# Altium PCB PCB.PcbDoc (part 1 of 2) (continued)
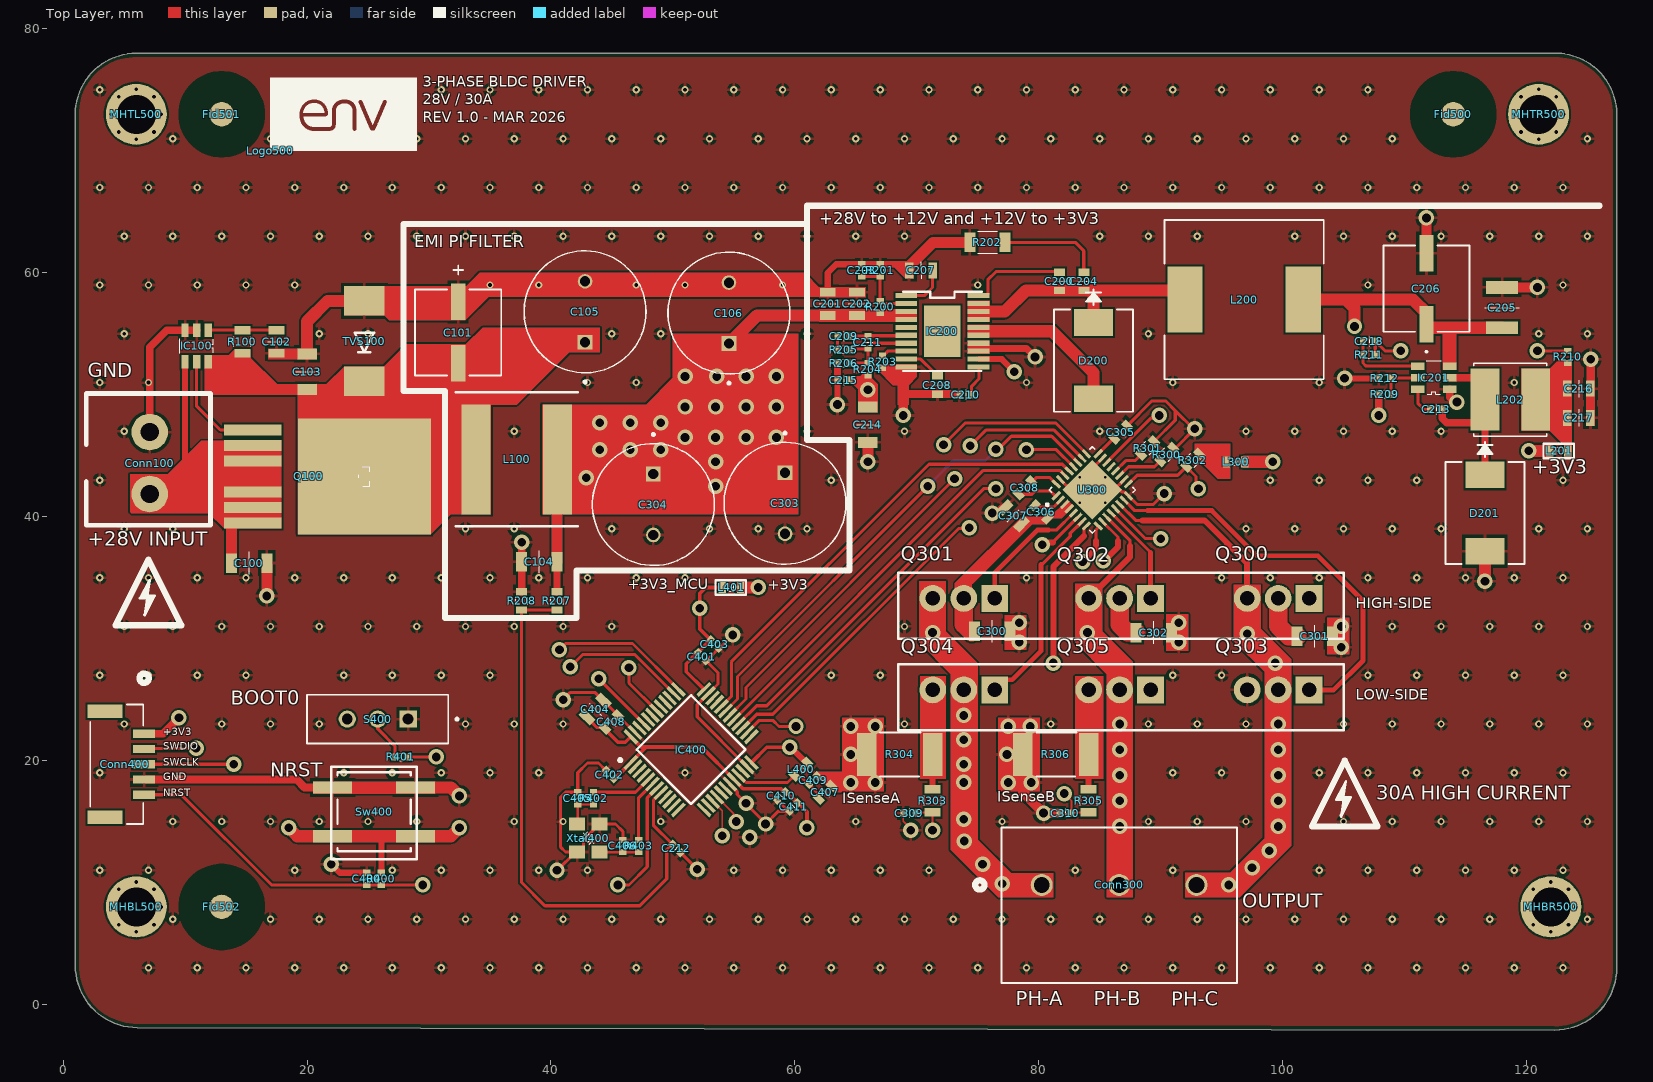
[diagram p0: Top Layer view]
## Components (designator, comment, footprint, x,y, rotation, side; value= is the part's Value field where it differs from the comment)
C100 "Capacitor_Seramic" Capacitor_Seramic_M3216_I1206 15.25,36.2 r0 top value=1uF
C101 "Capacitor_Aluminum" PCAP_EEHZ_D8_PAN 32.4,55.1 r270 top value=22uF
C102 "Capacitor_Seramic" Capacitor_Seramic_M2012_I0805 17.5,54.35 r270 top value=0.1uF
C103 "Capacitor_Seramic" Capacitor_Seramic_M3216_I1206 20,51.9 r90 top value=1uF
C104 "Capacitor_Seramic" Capacitor_Seramic_M3216_I1206 39.05,36.3 r180 top value=2.2uF
C105 "Capacitor_Aluminum_TH" Capacitor_Aluminum_TH 42.8,56.8 r90 top value=220uF
C106 "Capacitor_Aluminum_TH" Capacitor_Aluminum_TH 54.6,56.7 r90 top value=220uF
C200 "Capacitor_Seramic" Capacitor_Seramic_M1608_I0603 81.7,59.3 r270 top value=22nF
C201 "Capacitor_Seramic" Capacitor_Seramic_M2012_I0805 62.7,57.45 r90 top value=2.2uF
C202 "Capacitor_Seramic" Capacitor_Seramic_M2012_I0805 65.1,57.45 r90 top value=2.2uF
C203 "Capacitor_Seramic" Capacitor_Seramic_M1005_I0402 65.5,60.2 r90 top value=1nF
C204 "Capacitor_Seramic" Capacitor_Seramic_M1608_I0603 83.7,59.3 r90 top value=330pF
C205 "Capacitor_Seramic" Capacitor_Seramic_M3225_I1210 118,57.15 r90 top value=22uF
C206 "Capacitor_Aluminum" CAP_ZK_D8_PAN 111.8,58.7 r90 top value=150uF
C207 "Capacitor_Seramic" Capacitor_Seramic_M2012_I0805 70.35,60.2 r180 top value=4.7uF
C208 "Capacitor_Seramic" Capacitor_Seramic_M1608_I0603 71.7,50.8 r270 top value=330pF
C209 "Capacitor_Seramic" Capacitor_Seramic_M1005_I0402 64,54.8 r180 top value=10nF
C210 "Capacitor_Seramic" Capacitor_Seramic_M1005_I0402 74,50 r180 top value=10nF
C211 "Capacitor_Seramic" Capacitor_Seramic_M1005_I0402 66,54.3 r90 top value=470pF
C212 "Capacitor_Seramic" Capacitor_Seramic_M1005_I0402 50.3,12.8 r315 top value=10nF
C213 "Capacitor_Seramic" Capacitor_Seramic_M1005_I0402 112.6,48.8 r0 top value=0.1uF
C214 "Capacitor_Seramic" Capacitor_Seramic_M3216_I1206 66,47.55 r270 top value=10uF
C215 "Capacitor_Seramic" Capacitor_Seramic_M1005_I0402 64,51.2 r180 top value=0.1uF
C216 "Capacitor_Seramic" Capacitor_Seramic_M2012_I0805 124.3,50.5 r0 top value="22 µF"
C217 "Capacitor_Seramic" Capacitor_Seramic_M2012_I0805 124.3,48.1 r0 top value="22 µF"
C218 "Capacitor_Seramic" Capacitor_Seramic_M1005_I0402 107.1,54.4 r180 top value=75pF
C300 "Capacitor_Seramic" Capacitor_Seramic_M3216_I1206 76.2,30.6 r0 top value=1uF
C301 "Capacitor_Seramic" Capacitor_Seramic_M3216_I1206 102.65,30.2 r0 top value=1uF
C302 "Capacitor_Seramic" Capacitor_Seramic_M3216_I1206 89.45,30.5 r0 top value=1uF
C303 "Capacitor_Aluminum_TH" Capacitor_Aluminum_TH 59.2,41.1 r270 top value=330uF
C304 "Capacitor_Aluminum_TH" Capacitor_Aluminum_TH 48.4,41 r270 top value=330uF
C305 "Capacitor_Seramic" Capacitor_Seramic_M1608_I0603 86.73,46.93 r225 top value=1uF
C306 "Capacitor_Seramic" Capacitor_Seramic_M1608_I0603 80.2,40.4 r135 top value=1uF
C307 "Capacitor_Seramic" Capacitor_Seramic_M2012_I0805 77.928,40.072 r135 top value=0.1uF
C308 "Capacitor_Seramic" Capacitor_Seramic_M1608_I0603 78.87,42.37 r45 top value=47nF
C309 "Capacitor_Seramic" Capacitor_Seramic_M1005_I0402 69.4,15.7 r0 top value=2.2nF
C310 "Capacitor_Seramic" Capacitor_Seramic_M1005_I0402 82.2,15.7 r180 top value=2.2nF
C400 "Capacitor_Seramic" Capacitor_Seramic_M1005_I0402 24.9,10.3 r270 top value=0.1uF
C401 "Capacitor_Seramic" Capacitor_Seramic_M1005_I0402 52.383,28.517 r315 top value=0.1uF
C402 "Capacitor_Seramic" Capacitor_Seramic_M1005_I0402 44.846,18.854 r135 top value=0.1uF
C403 "Capacitor_Seramic" Capacitor_Seramic_M1005_I0402 53.446,29.554 r315 top value=0.1uF
C404 "Capacitor_Seramic" Capacitor_Seramic_M2012_I0805 43.628,24.228 r45 top value=4.7uF
C405 "Capacitor_Seramic" Capacitor_Seramic_M1005_I0402 42.2,16.9 r90 top value=16pF
C406 "Capacitor_Seramic" Capacitor_Seramic_M1005_I0402 45.9,13 r90 top value=16pF
C407 "Capacitor_Seramic" Capacitor_Seramic_M1608_I0603 62.5,17.4 r45 top value=1uF
C408 "Capacitor_Seramic" Capacitor_Seramic_M1608_I0603 44.97,23.17 r45 top value=1uF
C409 "Capacitor_Seramic" Capacitor_Seramic_M1005_I0402 61.5,18.4 r45 top value=10nF
C410 "Capacitor_Seramic" Capacitor_Seramic_M1005_I0402 58.9,17.1 r225 top value=0.1uF
C411 "Capacitor_Seramic" Capacitor_Seramic_M1005_I0402 59.9,16.2 r225 top value=0.1uF
Conn100 "KF128-2P" "Connector - KF128-5.08-2P" 7.1,44.4 r90 top
Conn300 "Connector - 3P" "Phoenix- 3Pin, 1714968" 80.25,9.8 r0 top
Conn400 "SM05B-GHS-TB(LF)(SN)" "Connector - JST, SM05B-GHS-TB" 4.4,19.7 r270 top
D200 "Diode_Schottky" SMC_DIO 84.5,52.8 r270 top
D201 "Diode_Schottky" SMC_DIO 116.6,40.3 r270 top
Fid500 "Fiducial" "Fiducial - 2mm, 5mm (SON)" 114,73 r0 top
Fid501 "Fiducial" "Fiducial - 2mm, 5mm (SON)" 13,73 r0 top
Fid502 "Fiducial" "Fiducial - 2mm, 5mm (SON)" 13,8 r0 top
IC100 "Diodes, LM5050MK-1" SOT-23-6Pin 10.95,54 r270 top
IC200 "TI, LM5005, 20-HTSSOP" "TI, LM5005, 20-HTSSOP" 72.1,55.2 r0 top
IC201 "TI, TPS54302" SOT-23-6Pin 112.4,51.4 r180 top
IC400 "STM32G431CBT3" "QFP-48, 9mm x 9mm x 1.6mm" 51.5,20.9 r45 top
L100 "Inductor" "Coilcraft - XAL1010-472MED" 37.2,44.7 r180 top value=4.7uH
L200 "Inductor" "Bourns - SRR1280" 96.851,57.8 r0 top value=33uF
L201 "Ferrite Bead" Ferrite_Bead_Smd_M1608_I0603 122.65,45.4 r0 top value=120Ω
L202 "Inductor" "Bourns - SRN6045TA" 118.675,49.6 r0 top value=10uF
L300 "Ferrite Bead" Ferrite_Bead_Smd_M1608_I0603 96.15,44.5 r180 top value=120Ω
L400 "Ferrite Bead" Ferrite_Bead_Smd_M1608_I0603 60.5,19.3 r225 top value=120Ω
L401 "Ferrite Bead" Ferrite_Bead_Smd_M1608_I0603 54.8,34.2 r180 top value=120Ω
Logo500 "Logo" "Logo 1" 17,70 r0 top
MHBL500 "Hole" "Mounting Hole - Hole-3.2mm, Pad-5mm" 6,8 r90 top
MHBR500 "Hole" "Mounting Hole - Hole-3.2mm, Pad-5mm" 122,8 r90 top
MHTL500 "Hole" "Mounting Hole - Hole-3.2mm, Pad-5mm" 6,73 r90 top
MHTR500 "Hole" "Mounting Hole - Hole-3.2mm, Pad-5mm" 121,73 r90 top
Q100 "Mosfet, N-Channel - IPB017N10N5" "TO263-7, Mosfet - Type 1" 24.7,43.3 r270 top
Q300 "Mosfet, N-Channel - TI - CSD18532KCS" "TO-220-3, Mosfet, N-Channel" 99.64,33.3 r180 top
Q301 "Mosfet, N-Channel - TI - CSD18532KCS" "TO-220-3, Mosfet, N-Channel" 73.86,33.3 r180 top
Q302 "Mosfet, N-Channel - TI - CSD18532KCS" "TO-220-3, Mosfet, N-Channel" 86.64,33.3 r180 top
Q303 "Mosfet, N-Channel - TI - CSD18532KCS" "TO-220-3, Mosfet, N-Channel" 99.64,25.8 r180 top
Q304 "Mosfet, N-Channel - TI - CSD18532KCS" "TO-220-3, Mosfet, N-Channel" 73.86,25.8 r180 top
Q305 "Mosfet, N-Channel - TI - CSD18532KCS" "TO-220-3, Mosfet, N-Channel" 86.64,25.8 r180 top
R100 "Resistor" Resistor_SMD_M2012_I0805 14.7,54.35 r90 top value=100R
R200 "Resistor" Resistor_SMD_M1005_I0402 67,57.2 r90 top value=100K
R201 "Resistor" Resistor_SMD_M1005_I0402 67,60.2 r270 top value=7.32K
R202 "Resistor" Resistor_SMD_M3216_I1206 75.8,62.5 r180 top value=10R
R203 "Resistor" Resistor_SMD_M1005_I0402 67.2,52.7 r270 top value=20.5K
R204 "Resistor" Resistor_SMD_M1005_I0402 66,52.1 r270 top value=14.5K
R205 "Resistor" Resistor_SMD_M1005_I0402 64,53.7 r180 top value=49.9K
R206 "Resistor" Resistor_SMD_M1005_I0402 64,52.6 r0 top value=1.65K
R207 "Resistor" Resistor_SMD_M1608_I0603 40.5,33.1 r90 top value=100K
R208 "Resistor" Resistor_SMD_M1608_I0603 37.6,33.1 r90 top value=6.8K
R209 "Resistor" Resistor_SMD_M1005_I0402 108.4,50.05 r0 top value=511K
R210 "Resistor" Resistor_SMD_M1005_I0402 123.4,53.1 r90 top value=49.9K
R211 "Resistor" Resistor_SMD_M1005_I0402 107.1,53.3 r180 top value=11K
R212 "Resistor" Resistor_SMD_M1005_I0402 108.4,51.35 r180 top value=105K
R300 "Resistor" Resistor_SMD_M1608_I0603 90.5,45.1 r225 top value=18K
R301 "Resistor" Resistor_SMD_M1608_I0603 88.93,45.63 r225 top value=18K
R302 "Resistor" Resistor_SMD_M1608_I0603 92.63,44.63 r45 top value=10K
R303 "Resistor" Resistor_SMD_M2012_I0805 71.3,16.7 r90 top value=100R
R304 "Resistor" Resistor_SMD_M6332_I2512 68.6,20.5 r180 top value=2mOhms
R305 "Resistor" Resistor_SMD_M2012_I0805 84.1,16.7 r90 top value=100R
R306 "Resistor" Resistor_SMD_M6332_I2512 81.4,20.5 r180 top value=2mOhms
R400 "Resistor" Resistor_SMD_M1005_I0402 26.1,10.3 r270 top value=10K
R401 "Resistor" Resistor_SMD_M1005_I0402 27.7,20.3 r0 top value=10K
R402 "Resistor" Resistor_SMD_M1005_I0402 43.5,16.9 r270 top value=0R
R403 "Resistor" Resistor_SMD_M1005_I0402 47.2,13 r270 top value=0R
S400 "MINI-SPDT-SW" MINI-SPDT-SW 25.8,23.4 r180 top
Sw400 "Tactile, SPST" "Tactile, SPST - Panasonic, EVQQ2" 25.5,15.8 r180 top
TVS100 "Diode_Tvs" Diode_SMC_DO-214AB 24.7,54.4 r270 top
U300 "TI - DRV8320HRTVR" "QFN-48 5mm x 5mm" 84.4,42.2 r45 top
Xtal400 "Crystal, Two Gnd Pins" "Kyocera, CX3225SB" 43.075,13.65 r90 top

## Footprints (in the part's own frame and the unit in brackets; to place one, negate y for a bottom-side part, rotate by r counter-clockwise, add the part's x,y. Pads: shape width x height; smd on the part's side, far side on the other; paste and mask are expansions set on the pad)
"Bourns - SRN6045TA" [mm] "Bourns - SRN6045TA"
  rect 2.35x5.1 smd: 1(-2.075,0) 2(2.075,0)
  silkscreen extent -3,-3 3,3, body extent -3,-3 3,3, height 4.5
"Bourns - SRR1280" [mil] "Bourns - SRR1280"
  rect 114x213 smd paste+0 mask+0: 1(-191,0) 2(191,0)
  silkscreen extent -257,-257 257,257, body extent -252,-252 252,252, height 315
CAP_ZK_D8_PAN [mil]
  rect 118x46 smd paste+0 mask+0: 1(-114.5,0) 2(114.5,0)
  silkscreen extent -206,-139 139,139, body extent -154,-134 154,134, height 317
Capacitor_Aluminum_TH [mm] "Capacitor_Aluminum_TH"
  round 1.2 hole 0.85: N(2.5,0)
  rect 1.2x1.2 hole 0.85: P(-2.5,0)
  silkscreen extent -5.85,-5 5,5, body extent -5,-5 4.98,5, height 25
Capacitor_Seramic_M1005_I0402 [mm] "Capacitor, Seramic, M1005, I0402"
  rect 0.5x0.6 smd mask+0.05: 1(-0.5,0) 2(0.5,0)
  silkscreen extent 0,-0.4 0,0.4, body extent -0.6,-0.26 0.6,0.26, height 0.51
Capacitor_Seramic_M1608_I0603 [mm] "Capacitor, Seramic, M1608, I0603"
  rect 0.6x0.9 smd mask+0.05: 1(-0.75,0) 2(0.75,0)
  silkscreen extent 0,-0.5 0,0.51, body extent -0.93,-0.41 0.93,0.41, height 0.81
Capacitor_Seramic_M2012_I0805 [mm] "Capacitor, Seramic, M2012, I0805"
  rect 0.7x1.3 smd mask+0.05: 1(-0.95,0) 2(0.95,0)
  silkscreen extent -0.01,-0.7 0,0.7, body extent -1.09,-0.64 1.09,0.64, height 1.26
Capacitor_Seramic_M3216_I1206 [mm] "Capacitor, Seramic, M3216, I1206"
  rect 0.9x1.6 smd mask+0.05: 1(-1.45,0) 2(1.45,0)
  silkscreen extent 0,-0.9 0,0.91, body extent -1.75,-0.81 1.75,0.81, height 1.63
Capacitor_Seramic_M3225_I1210 [mm] "Capacitor, Seramic, M3225, I1210"
  rect 1.05x2.65 smd mask+0.05: 1(-1.65,0) 2(1.65,0)
  silkscreen extent 0,-1.4 0,1.4, body extent -1.6,-1.25 1.6,1.25, height 1.3
"Coilcraft - XAL1010-472MED" [mm] "Coilcraft - XAL1010-472MED"
  rect 2.38x9 smd mask+0.05: 1(-3.325,0) 2(3.325,0)
  silkscreen extent -5,-5.5 5,5.5, body extent -5,-5.65 5,5.65, height 10
"Connector - JST, SM05B-GHS-TB" [mil]
  rect 26x71 smd paste+0 mask+0: 1(-98.43,88.37) 2(-49.21,88.37) 3(0,88.37) 4(49.21,88.37) 5(98.43,88.37)
  rect 43x113.39 smd paste+0 mask+0: 6(-171.26,-37.61) 7(171.26,-37.61)
  silkscreen extent -293,-86 193,103, body extent -187,-81 187,110, height 167
"Connector - KF128-5.08-2P" [mm] "Connector - KF128-5.08-2P"
  round 3 hole 1.5 mask+0.05: 1(-2.54,0) 2(2.54,0)
  silkscreen extent -5.1,-5 5.7,5.2, body extent -5.08,-5.1 5.68,5.2, height 14.29
Diode_SMC_DO-214AB [mm] "Diode, SMD, DO-214AB"
  rect 2.4x3.3 smd mask+0.05: A(-3.3,0) K(3.3,0)
  silkscreen extent -0.7,-0.8 0.9,0.8, body extent -4.06,-3.11 4.06,3.11, height 2.67
Ferrite_Bead_Smd_M1608_I0603 [mm] "Ferrite_Bead_Smd_M1608_I0603"
  rect 0.6x0.9 smd mask+0.05: 1(-0.75,0) 2(0.75,0)
  silkscreen extent -0.2,-0.3 0.2,0.3, body extent -0.8,-0.4 0.8,0.4, height 0.8
"Fiducial - 2mm, 5mm (SON)" [mm] "Fiducial - 2mm, 5mm (SON)"
  round 2 smd paste-3 mask+1.5: TP(0,0)
  Top Layer pour cut-out: 2.5,2.5 0.915,3.415 -0.915,3.415 -2.5,2.5 -2.5,2.5 -3.266,1.353 -3.536,0 -3.266,-1.353 -2.5,-2.5 -2.5,-2.5 -1.353,-3.266 0,-3.536 1.353,-3.266 2.5,-2.5 2.5,-2.5 3.415,-0.915 3.415,0.915 2.5,2.5
"Kyocera, CX3225SB" [mm] "Kyocera, CX3225SB"
  rect 1.05x1.3 smd mask+0.05: 1(-1.15,-0.925) 2(1.15,0.925) GND1(-1.15,0.925) GND2(1.15,-0.925)
  silkscreen extent -0.49,-0.49 0.49,0.49, body extent -1.6,-1.25 1.6,1.25, height 0.55
"Logo 1" [mm] "Logo"
  silkscreen extent 0,0 12,6
MINI-SPDT-SW [mm]
  rect 1.408x1.408 hole 0.9: 1(-2.5,0)
  round 1.408 hole 0.9: 2(0,0) 3(2.5,0)
  silkscreen extent -6.6,-2 5.8,2, body extent -5.8,-2 5.8,2, height 7.4
"Mounting Hole - Hole-3.2mm, Pad-5mm" [mm] "Mounting Hole, Hole-3.2mm, Pad-5mm"
  round 0.6 hole 0.3 mask+0.05: Hole(-2.05,0) Hole(-1.45,-1.45) Hole(-1.45,1.45) Hole(0,2.05) Hole(0,-2.05) Hole(1.45,-1.45) Hole(1.45,1.45) Hole(2.05,0)
  round 5 hole 3.2 mask+0.05: Hole(0,0)
PCAP_EEHZ_D8_PAN [mil]
  rect 118x46 smd paste+0 mask+0: 1(-99,0) 2(99,0)
  silkscreen extent -217,-139 139,139, body extent -138,-134 138,134, height 317
"Phoenix- 3Pin, 1714968" [mil]
  round 71 hole 51 paste-99999 mask+0: 1(0,0) 2(250,0) 3(500,0)
  silkscreen extent -215,-316 630,186, body extent -151,-310 621,183, height 846
"QFN-48 5mm x 5mm" [mm] "QFN, 48Pin, 5mm x 5mm x 0,8mm"
  rrect25% 0.88x0.26 smd: 1(-2.435,1.75) 2(-2.435,1.25) 3(-2.435,0.75) 4(-2.435,0.25) 5(-2.435,-0.25) 6(-2.435,-0.75) 7(-2.435,-1.25) 8(-2.435,-1.75) 17(2.435,-1.75) 18(2.435,-1.25) 19(2.435,-0.75) 20(2.435,-0.25) 21(2.435,0.25) 22(2.435,0.75) 23(2.435,1.25) 24(2.435,1.75)
  rrect25% 0.26x0.88 smd: 9(-1.75,-2.435) 10(-1.25,-2.435) 11(-0.75,-2.435) 12(-0.25,-2.435) 13(0.25,-2.435) 14(0.75,-2.435) 15(1.25,-2.435) 16(1.75,-2.435) 25(1.75,2.435) 26(1.25,2.435) 27(0.75,2.435) 28(0.25,2.435) 29(-0.25,2.435) 30(-0.75,2.435) 31(-1.25,2.435) 32(-1.75,2.435)
  rect 3.45x3.45 smd paste-3: 33(0,0)
  round 0.4 hole 0.2 mask+0: 34(0,1.475) 35(-1.475,0) 36(0,0) 37(1.475,0) 38(0,-1.475)
  silkscreen extent -3.57,-2.5 2.5,2.5, body extent -2.5,-2.5 2.5,2.5, height 0.8
"QFP-48, 9mm x 9mm x 1.6mm" [mm] "QFP-48, 9mm x 9mm x 1.6mm"
  rect 1.475x0.3 smd: 1(-4.238,2.75) 2(-4.238,2.25) 3(-4.238,1.75) 4(-4.238,1.25) 5(-4.238,0.75) 6(-4.238,0.25) 7(-4.238,-0.25) 8(-4.238,-0.75) 9(-4.238,-1.25) 10(-4.238,-1.75) 11(-4.238,-2.25) 12(-4.238,-2.75) 25(4.238,-2.75) 26(4.238,-2.25) 27(4.238,-1.75) 28(4.238,-1.25) 29(4.238,-0.75) 30(4.238,-0.25) 31(4.238,0.25) 32(4.238,0.75) 33(4.238,1.25) 34(4.238,1.75) 35(4.238,2.25) 36(4.238,2.75)
  rect 0.3x1.475 smd: 13(-2.75,-4.238) 14(-2.25,-4.238) 15(-1.75,-4.238) 16(-1.25,-4.238) 17(-0.75,-4.238) 18(-0.25,-4.238) 19(0.25,-4.238) 20(0.75,-4.238) 21(1.25,-4.238) 22(1.75,-4.238) 23(2.25,-4.238) 24(2.75,-4.238) 37(2.75,4.238) 38(2.25,4.238) 39(1.75,4.238) 40(1.25,4.238) 41(0.75,4.238) 42(0.25,4.238) 43(-0.25,4.238) 44(-0.75,4.238) 45(-1.25,4.238) 46(-1.75,4.238) 47(-2.25,4.238) 48(-2.75,4.238)
  silkscreen extent -4.85,-3.15 3.15,3.62, body extent -4.5,-4.5 4.5,4.5, height 1.6
Resistor_SMD_M1005_I0402 [mm] "Resistor, SMD, M1005, I0402"
  rect 0.5x0.6 smd mask+0.05: 1(-0.5,0) 2(0.5,0)
  silkscreen extent -0.1,-0.3 0.1,0.3, body extent -0.51,-0.25 0.49,0.25, height 0.18
Resistor_SMD_M1608_I0603 [mm] "Resistor, SMD, M1608, I0603"
  rect 0.6x0.9 smd mask+0.05: 1(-0.75,0) 2(0.75,0)
  silkscreen extent -0.3,-0.5 0.3,0.5, body extent -0.8,-0.4 0.8,0.4, height 0.23
Resistor_SMD_M2012_I0805 [mm] "Resistor, SMD, M2012, I0805"
  rect 0.7x1.3 smd mask+0.05: 1(-0.95,0) 2(0.95,0)
  silkscreen extent -0.4,-0.7 0.4,0.7, body extent -1,-0.63 1,0.63, height 0.3
Resistor_SMD_M3216_I1206 [mm] "Resistor, SMD, M3216, I1206"
  rect 0.9x1.6 smd mask+0.05: 1(-1.45,0) 2(1.45,0)
  silkscreen extent -0.8,-0.9 0.8,0.9, body extent -1.6,-0.8 1.6,0.8, height 0.3
Resistor_SMD_M6332_I2512 [mm] "Resistor, SMD, M1332, I2512"
  rect 1.6x3.5 smd mask+0.05: 1(-2.7,0) 2(2.7,0)
  silkscreen extent -1.7,-1.8 1.6,1.8, body extent -3.2,-1.6 3.2,1.6, height 0.3
SMC_DIO [mm]
  rect 2.18x3.18 smd paste+0 mask+0: A(3.127,0) K(-3.127,0)
  silkscreen extent -5.84,-3.24 4.19,3.24, body extent -4.07,-3.11 4.07,3.11, height 2.45
SOT-23-6Pin [mm] "SOT-23, 6Pin"
  rect 1.1x0.6 smd mask+0.05: 1(-1.3,0.95) 2(-1.3,0) 3(-1.3,-0.95) 4(1.3,-0.95) 5(1.3,0) 6(1.3,0.95)
  silkscreen extent -0.6,-1.38 0.6,1.38, body extent -1.21,-1.39 1.22,1.4, height 1.09
"Tactile, SPST - Panasonic, EVQQ2" [mm] "Tactile, SPST - Panasonic, EVQQ2"
  rect 3.2x1 smd mask+0.05: A(-3.4,-2) A(3.4,-2) B(-3.4,2) B(3.4,2)
  silkscreen extent -3,-3.25 3,3.25, body extent -3.3,-3 3.3,3, height 3.1
"TI, LM5005, 20-HTSSOP" [mm] "Texas Instruments, LM5005, HTSSOP, 20 Pin"
  rect 1.78x0.42 smd mask+0.05: 1-VCC(-2.97,2.925) 2-SD(-2.97,2.275) 3-VIN(-2.97,1.625) 4-VIN(-2.97,0.975) 5-SYNC(-2.97,0.325) 6-COMP(-2.97,-0.325) 7-FB(-2.97,-0.975) 8-RT(-2.97,-1.625) 9-RAMP(-2.97,-2.275) 10-AGND(-2.97,-2.925) 11-SS(2.97,-2.925) 12-OUT(2.97,-2.275) 13-PGND(2.97,-1.625) 14-PGND(2.97,-0.975) 15-IS(2.97,-0.325) 16-IS(2.97,0.325) 17-SW(2.97,0.975) 18-SW(2.97,1.625) 19-PRE(2.97,2.275) 20-BST(2.97,2.925)
  rect 3x4.2 smd paste-0.35 mask+0.05: EP-GND(0,0)
  silkscreen extent -3.2,-3.25 3.25,3.25, body extent -3.2,-3.25 3.2,3.25, height 1.1
"TO263-7, Mosfet - Type 1" [mm] "TO263-7, Mosfet - Type 1"
  rect 9.5x10.9 smd mask+0.05: D(0,0)
  rect 0.9x4.7 smd mask+0.05: G(-3.81,-9.15) S(-2.54,-9.15) S(-1.27,-9.15) S(1.27,-9.15) S(2.54,-9.15) S(3.81,-9.15)
  silkscreen extent -0.8,-0.45 0.8,0.45, body extent -5,-9.37 5,5.58, height 4.51
"TO-220-3, Mosfet, N-Channel" [mm] "TO-220-3, Mosfet, N-Channel"
  round 2.2 hole 1.2 mask+0.05: D(0,0) S(2.54,0)
  rect 2.2x2.2 hole 1.2 mask+0.05: G(-2.54,0)
  body extent -5.08,-1.7 5.08,2.85, height 15.75

## Part data
C100 C103 C300 C301 C302: "Cap, Cer, 1uF, 100V, M3216", Manufacturer="TDK Corporation", Manufacturer Part Number=C3216X7R2A105K160AA, Operating Temperature, Max=+125℃, Operating Temperature, Min=-55℃, Package=M3216, Rated Voltage=100V, Supplier Part Number=445-4467-1-ND, Temperature Coefficient=X7R, Tolerance=±10%, Component Category=Capacitor, Component Type=Ceramic, ComponentLink1Description=Datasheet, ComponentLink2Description="Supplier Link", ComponentLink2URL=https://www.digikey.com/en/products/detail/tdk-corporation/C3216X7R2A105K160AA/2042138, Price, Max=$0.12024, Price, Min=$0.41000, Quantity, Max=1,000, Quantity, Min=1, Supplier=Digikey, Supplier Currency=$, Supplier Link=https://www.digikey.com/en/products/detail/tdk-corporation/C3216X7R2A105K160AA/2042138
C101: "Cap, Aluminum", Manufacturer=Panasonic, Manufacturer Part Number=EEH-ZA1J220XP, Operating Temperature, Max=+105°C, Operating Temperature, Min=-55°C, Rated Voltage="63 V", Supplier Part Number=P15447CT-ND, Tolerance=±20%, Component Category=Capacitors, Component Type=Aluminum, ComponentLink1Description="Supplier Link", ComponentLink1URL=https://www.digikey.com/en/products/detail/panasonic-electronic-components/EEH-ZA1J220XP/3088130, Price, Max=$0.85740, Price, Min=$2.04000, Quantity, Max=100, Quantity, Min=1, Supplier=Digikey, Supplier Currency=$, Supplier Link=https://www.digikey.com/en/products/detail/panasonic-electronic-components/EEH-ZA1J220XP/3088130
C102 C307: "Cap, Cer, 0.1uF, 100V, M2012", Manufacturer="TDK Corporation", Manufacturer Part Number=C2012X7R2A104K125AA, Operating Temperature, Max=+125℃, Operating Temperature, Min=-55℃, Package=M2012, Rated Voltage=100V, Supplier Part Number=445-1418-1-ND, Temperature Coefficient=X7R, Tolerance=±10%, Component Category=Capacitor, Component Type=Ceramic, ComponentLink1Description=Datasheet, ComponentLink2Description="Supplier Link", ComponentLink2URL=https://www.digikey.com/en/products/detail/tdk-corporation/C2012X7R2A104K125AA/569044, Price, Max=$0.03714, Price, Min=$0.16000, Quantity, Max=1,000, Quantity, Min=1, Supplier=Digikey, Supplier Currency=$, Supplier Link=https://www.digikey.com/en/products/detail/tdk-corporation/C2012X7R2A104K125AA/569044
C104 C201 C202: "Cap, Cer, 2.2uF, 100V, M3216", Manufacturer=YAGEO, Manufacturer Part Number=AC1206KKX7R0BB225, Operating Temperature, Max=+125℃, Operating Temperature, Min=-55℃, Package=M3216, Rated Voltage=100V, Supplier Part Number=13-AC1206KKX7R0BB225CT-ND, Temperature Coefficient=X7R, Tolerance=±10%, Component Category=Capacitor, Component Type=Ceramic, ComponentLink1Description=Datasheet, ComponentLink2Description="Supplier Link", ComponentLink2URL=https://www.digikey.com/en/products/detail/yageo/AC1206KKX7R0BB225/16797723, Price, Max=$0.39533, Price, Min=$1.08000, Quantity, Max=1,000, Quantity, Min=1, Supplier=Digikey, Supplier Currency=$, Supplier Link=https://www.digikey.com/en/products/detail/yageo/AC1206KKX7R0BB225/16797723
C105 C106: "220F 63V Aluminum Electrolytic Capacitors Radial, Can 10000 Hrs @ 105C", Manufacturer="Panasonic Electronic Components", Manufacturer Part Number=EEU-FR1J221L, Operating Temperature, Max=+105°C, Operating Temperature, Min=-40°C, Rated Voltage=63V, Supplier Part Number=P15409-ND, Tolerance=±20%, Component Category=Aluminum, Component Type=Capacitor, ComponentLink1Description="Supplier Link", ComponentLink1URL=https://www.digikey.com/en/products/detail/panasonic-electronic-components/EEU-FR1J221L/3072289, Price, Max=$0.54887, Price, Min=$1.45000, Quantity, Max=600, Quantity, Min=1, Supplier=Digikey, Supplier Currency=$, Supplier Link=https://www.digikey.com/en/products/detail/panasonic-electronic-components/EEU-FR1J221L/3072289
C200: "Cap, Cer, 22nF, 100V, M1608", Manufacturer=YAGEO, Manufacturer Part Number=CC0603KRX7R0BB223, Operating Temperature, Max=+125℃, Operating Temperature, Min=-55℃, Package=M1608, Rated Voltage=100V, Supplier Part Number=311-1792-1-ND, Temperature Coefficient=X7R, Tolerance=±10%, Component Category=Capacitor, Component Type=Ceramic, ComponentLink1Description=Datasheet, ComponentLink2Description="Supplier Link", ComponentLink2URL=https://www.digikey.com/en/products/detail/yageo/CC0603KRX7R0BB223/5195200, Price, Max=$0.02315, Price, Min=$0.11000, Quantity, Max=1,000, Quantity, Min=1, Supplier=Digikey, Supplier Currency=$, Supplier Link=https://www.digikey.com/en/products/detail/yageo/CC0603KRX7R0BB223/5195200
C203: "Cap, Cer, 1nF, 50V, M1005", Manufacturer=Yageo, Manufacturer Part Number=CC0402KRX7R9BB102, Operating Temperature, Max=+125℃, Operating Temperature, Min=-55℃, Package=M1005, Rated Voltage=50V, Supplier Part Number=311-1036-1-ND, Temperature Coefficient=X7R, Tolerance=±10%, Component Category=Capacitor, Component Type=Ceramic, ComponentLink1Description=Datasheet, ComponentLink1URL="C:\Users\User\OneDrive - Karadeniz Teknik University\Masaüstü\pcb\Altium-Designer-ile-Elektronik-Devre-Karti-Tasarimi_2024-main\Datasheets\Capacitor\Walsin - Multilayer Ceramic Capacitors.pdf", ComponentLink2Description="Supplier Link", ComponentLink2URL=https://www.digikey.com/en/products/detail/yageo/CC1206MKX7RDBB102/5884663, Price, Max=$0.08000, Price, Min=$0.08000, Quantity, Max=50, Quantity, Min=1, Supplier=Digikey, Supplier Currency=$, Supplier Link=https://www.digikey.com/en/products/detail/yageo/CC0402KRX7R9BB102/302770
C204 C208: "Cap, Cer, 330pF, 100V, M1608", Manufacturer=YAGEO, Manufacturer Part Number=CC0603JRNPO0BN331, Operating Temperature, Max=+125℃, Operating Temperature, Min=-55℃, Package=M1608, Rated Voltage=100V, Supplier Part Number=311-1759-1-ND, Temperature Coefficient=X7R, Tolerance=±5%, Component Category=Capacitor, Component Type=Ceramic, ComponentLink1Description=Datasheet, ComponentLink2Description="Supplier Link", ComponentLink2URL=https://www.digikey.com/en/products/detail/yageo/CC0603JRNPO0BN331/5195168, Price, Max=$0.02444, Price, Min=$0.11000, Quantity, Max=1,000, Quantity, Min=1, Supplier=Digikey, Supplier Currency=$, Supplier Link=https://www.digikey.com/en/products/detail/yageo/CC0603JRNPO0BN331/5195168
C205: "Cap, Cer, 22uF, 25V, M3225", Manufacturer=Murata, Manufacturer Part Number=GRM32ER71E226KE15L, Operating Temperature, Max=+85℃, Operating Temperature, Min=-55℃, Package=M3225, Rated Voltage=25V, Supplier Part Number=490-5313-1-ND, Temperature Coefficient=X7R, Tolerance=±10%, Component Category=Capacitor, Component Type=Ceramic, ComponentLink1Description=Datasheet, ComponentLink1URL="C:\Users\User\OneDrive - Karadeniz Teknik University\Masaüstü\pcb\Altium-Designer-ile-Elektronik-Devre-Karti-Tasarimi_2024-main\Datasheets\Capacitor\Murata - Multilayer Ceramic Capacitors.pdf", ComponentLink2Description="Supplier Link", ComponentLink2URL=https://www.digikey.com/en/products/detail/murata-electronics/GRM32ER71E226KE15L/2039040, Price, Max=$0.25908, Price, Min=$0.73000, Quantity, Max=500, Quantity, Min=1, Supplier=Digikey, Supplier Currency=$, Supplier Link=https://www.digikey.com/en/products/detail/murata-electronics/GRM32ER71E226KE15L/2039040
C206: "Cap, Aluminum", Manufacturer=Panasonic, Manufacturer Part Number=EEH-ZK1E151XP, Operating Temperature, Max=+105°C, Operating Temperature, Min=-55°C, Rated Voltage=25V, Supplier Part Number=P121396CT-ND, Tolerance=±20%, Component Category=Capacitors, Component Type=Aluminum, ComponentLink1Description="Supplier Link", ComponentLink1URL=https://www.digikey.com/en/products/detail/panasonic-electronic-components/EEH-ZA1J220XP/3088130, Price, Max=$0.43280, Price, Min=$1.00000, Quantity, Max=100, Quantity, Min=1, Supplier=Digikey, Supplier Currency=$, Supplier Link=https://www.digikey.com/en/products/detail/panasonic-electronic-components/EEH-ZK1E151XP/6564644
C207 C404: "Cap, Cer, 4.7uF, 25V, M2012", Manufacturer="TDK Corporation", Manufacturer Part Number=C2012X7R1E475K125AB, Operating Temperature, Max=+125℃, Operating Temperature, Min=-55℃, Package=M2012, Rated Voltage=25V, Supplier Part Number=445-5972-1-ND, Temperature Coefficient=X7R, Tolerance=±10%, Component Category=Capacitor, Component Type=Ceramic, ComponentLink1Description=Datasheet, ComponentLink2Description="Supplier Link", ComponentLink2URL=https://www.digikey.com/en/products/detail/tdk-corporation/C2012X7R1E475K125AB/2443450, Price, Max=$0.31000, Price, Min=$0.08389, Quantity, Max=1,000, Quantity, Min=1, Supplier=Digikey, Supplier Currency=$, Supplier Link=https://www.digikey.com/en/products/detail/tdk-corporation/C2012X7R1E475K125AB/2443450
C209 C210 C212: "Cap, Cer, 10nF, 50V, M1005", Manufacturer=Yageo, Manufacturer Part Number=CC0402KRX7R9BB103, Operating Temperature, Max=+125℃, Operating Temperature, Min=-55℃, Package=M1005, Rated Voltage=50V, Supplier Part Number=311-1349-1-ND, Temperature Coefficient=X7R, Tolerance=±10%, Component Category=Capacitor, Component Type=Ceramic, ComponentLink1Description=Datasheet, ComponentLink2Description="Supplier Link", ComponentLink2URL=https://www.digikey.com/en/products/detail/yageo/CC0402KRX7R9BB103/2103087, Price, Max=$0.00300, Price, Min=$0.08000, Quantity, Max=10, Quantity, Min=1, Supplier=Digikey, Supplier Currency=$, Supplier Link=https://www.digikey.com/en/products/detail/yageo/CC0402KRX7R9BB103/2103087
C211: "Cap, Cer, 470pF, 50V, M1005", Manufacturer=YAGEO, Manufacturer Part Number=CC0402JRNPO9BN471, Operating Temperature, Max=+125℃, Operating Temperature, Min=-55℃, Package=M1005, Rated Voltage=50V, Supplier Part Number=311-1671-1-ND, Temperature Coefficient=X7R, Tolerance=±5%, Component Category=Capacitor, Component Type=Ceramic, ComponentLink1Description=Datasheet, ComponentLink1URL="C:\Users\User\OneDrive - Karadeniz Teknik University\Masaüstü\pcb\Altium-Designer-ile-Elektronik-Devre-Karti-Tasarimi_2024-main\Datasheets\Capacitor\Walsin - Multilayer Ceramic Capacitors.pdf", ComponentLink2Description="Supplier Link", ComponentLink2URL=https://www.digikey.com/en/products/detail/yageo/CC0402JRNPO9BN471/5195080, Price, Max=$0.10000, Price, Min=$0.01290, Quantity, Max=50, Quantity, Min=1, Supplier=Digikey, Supplier Currency=$, Supplier Link=https://www.digikey.com/en/products/detail/yageo/CC0402JRNPO9BN471/5195080
C213 C215 C400 C401 C402 C403 C410 C411: "Cap, Cer, 0.1uF, 25V, M1005", Manufacturer=YAGEO, Manufacturer Part Number=CC0402KRX7R8BB104, Operating Temperature, Max=+125℃, Operating Temperature, Min=-55℃, Package=M1005, Rated Voltage=25V, Supplier Part Number=311-2077-1-ND, Temperature Coefficient=X7R, Tolerance=±10%, Component Category=Capacitor, Component Type=Ceramic, ComponentLink1Description=Datasheet, ComponentLink2Description="Supplier Link", ComponentLink2URL=https://www.digikey.com/en/products/detail/yageo/CC0402KRX7R8BB104/5698946, Price, Max=$0.00700, Price, Min=$0.10000, Quantity, Max=1,000, Quantity, Min=1, Supplier=Digikey, Supplier Currency=$, Supplier Link=https://www.digikey.com/en/products/detail/yageo/CC0402KRX7R8BB104/5698946
C214: "Cap, Cer, 10uF, 25V, M3216", Manufacturer="Samsung Electro-Mechanics", Manufacturer Part Number=CL31B106KAHNFNE, Operating Temperature, Max=+125°C, Operating Temperature, Min=-55℃, Package=M3216, Rated Voltage=25V, Supplier Part Number=1276-3100-1-ND, Temperature Coefficient=X7R, Tolerance=±10%, Component Category=Capacitor, Component Type=Ceramic, ComponentLink1Description=Datasheet, ComponentLink1URL="C:\Users\User\OneDrive - Karadeniz Teknik University\Masaüstü\pcb\Altium-Designer-ile-Elektronik-Devre-Karti-Tasarimi_2024-main\Datasheets\Capacitor\Walsin - Multilayer Ceramic Capacitors.pdf", ComponentLink2Description="Supplier Link", ComponentLink2URL=https://www.digikey.com/en/products/detail/samsung-electro-mechanics/CL31B106KAHNFNE/3888758, Price, Max=$0.05159, Price, Min=$0.21000, Quantity, Max=1,000, Quantity, Min=1, Supplier=Digikey, Supplier Currency=$, Supplier Link=https://www.digikey.com/en/products/detail/samsung-electro-mechanics/CL31B106KAHNFNE/3888758
C216 C217: "Cap, Cer, 22uF, 16V, M2012", Manufacturer="Murata Electronics", Manufacturer Part Number=GRM21BR61C226ME44L, Operating Temperature, Max=+85℃, Operating Temperature, Min=-55℃, Package=M2012, Rated Voltage=16V, Supplier Part Number=490-10747-1-ND, Temperature Coefficient=X5R, Tolerance=20%, Component Category=Capacitor, Component Type=Ceramic, ComponentLink1Description=Datasheet, ComponentLink1URL="C:\Users\User\OneDrive - Karadeniz Teknik University\Masaüstü\pcb\Altium-Designer-ile-Elektronik-Devre-Karti-Tasarimi_2024-main\Datasheets\Capacitor\Murata - Multilayer Ceramic Capacitors.pdf", ComponentLink2Description="Supplier Link", ComponentLink2URL=https://www.digikey.com/en/products/detail/murata-electronics/GRM21BR60J226ME39K/2546881, Price, Max=$0.08990, Price, Min=$0.32000, Quantity, Max=1,000, Quantity, Min=1, Supplier=Digikey, Supplier Currency=$, Supplier Link=https://www.digikey.com/en/products/detail/murata-electronics/GRM21BR61C226ME44L/4905531
C218: "Cap, Cer, 75pF, 25V, M1005", Manufacturer=YAGEO, Manufacturer Part Number=CC0402JRNPO9BN750, Operating Temperature, Max=+125℃, Operating Temperature, Min=-55℃, Package=M1005, Rated Voltage=25V, Supplier Part Number=311-3755-1-ND, Temperature Coefficient="C0G, NP0", Tolerance=±5%, Component Category=Capacitor, Component Type=Ceramic, ComponentLink1Description=Datasheet, ComponentLink1URL="C:\Users\User\OneDrive - Karadeniz Teknik University\Masaüstü\pcb\Altium-Designer-ile-Elektronik-Devre-Karti-Tasarimi_2024-main\Datasheets\Capacitor\Walsin - Multilayer Ceramic Capacitors.pdf", ComponentLink2Description="Supplier Link", ComponentLink2URL=https://www.digikey.com/en/products/detail/walsin-technology-corporation/0402N220J250CT/9354779, Price, Max=$0.01020, Price, Min=$0.10000, Quantity, Max=2,500, Quantity, Min=1, Supplier=Digikey, Supplier Currency=$, Supplier Link=https://www.digikey.com/en/products/detail/yageo/CC0402JRNPO9BN750/5883280